# KiCad board squishy.kicad_pcb
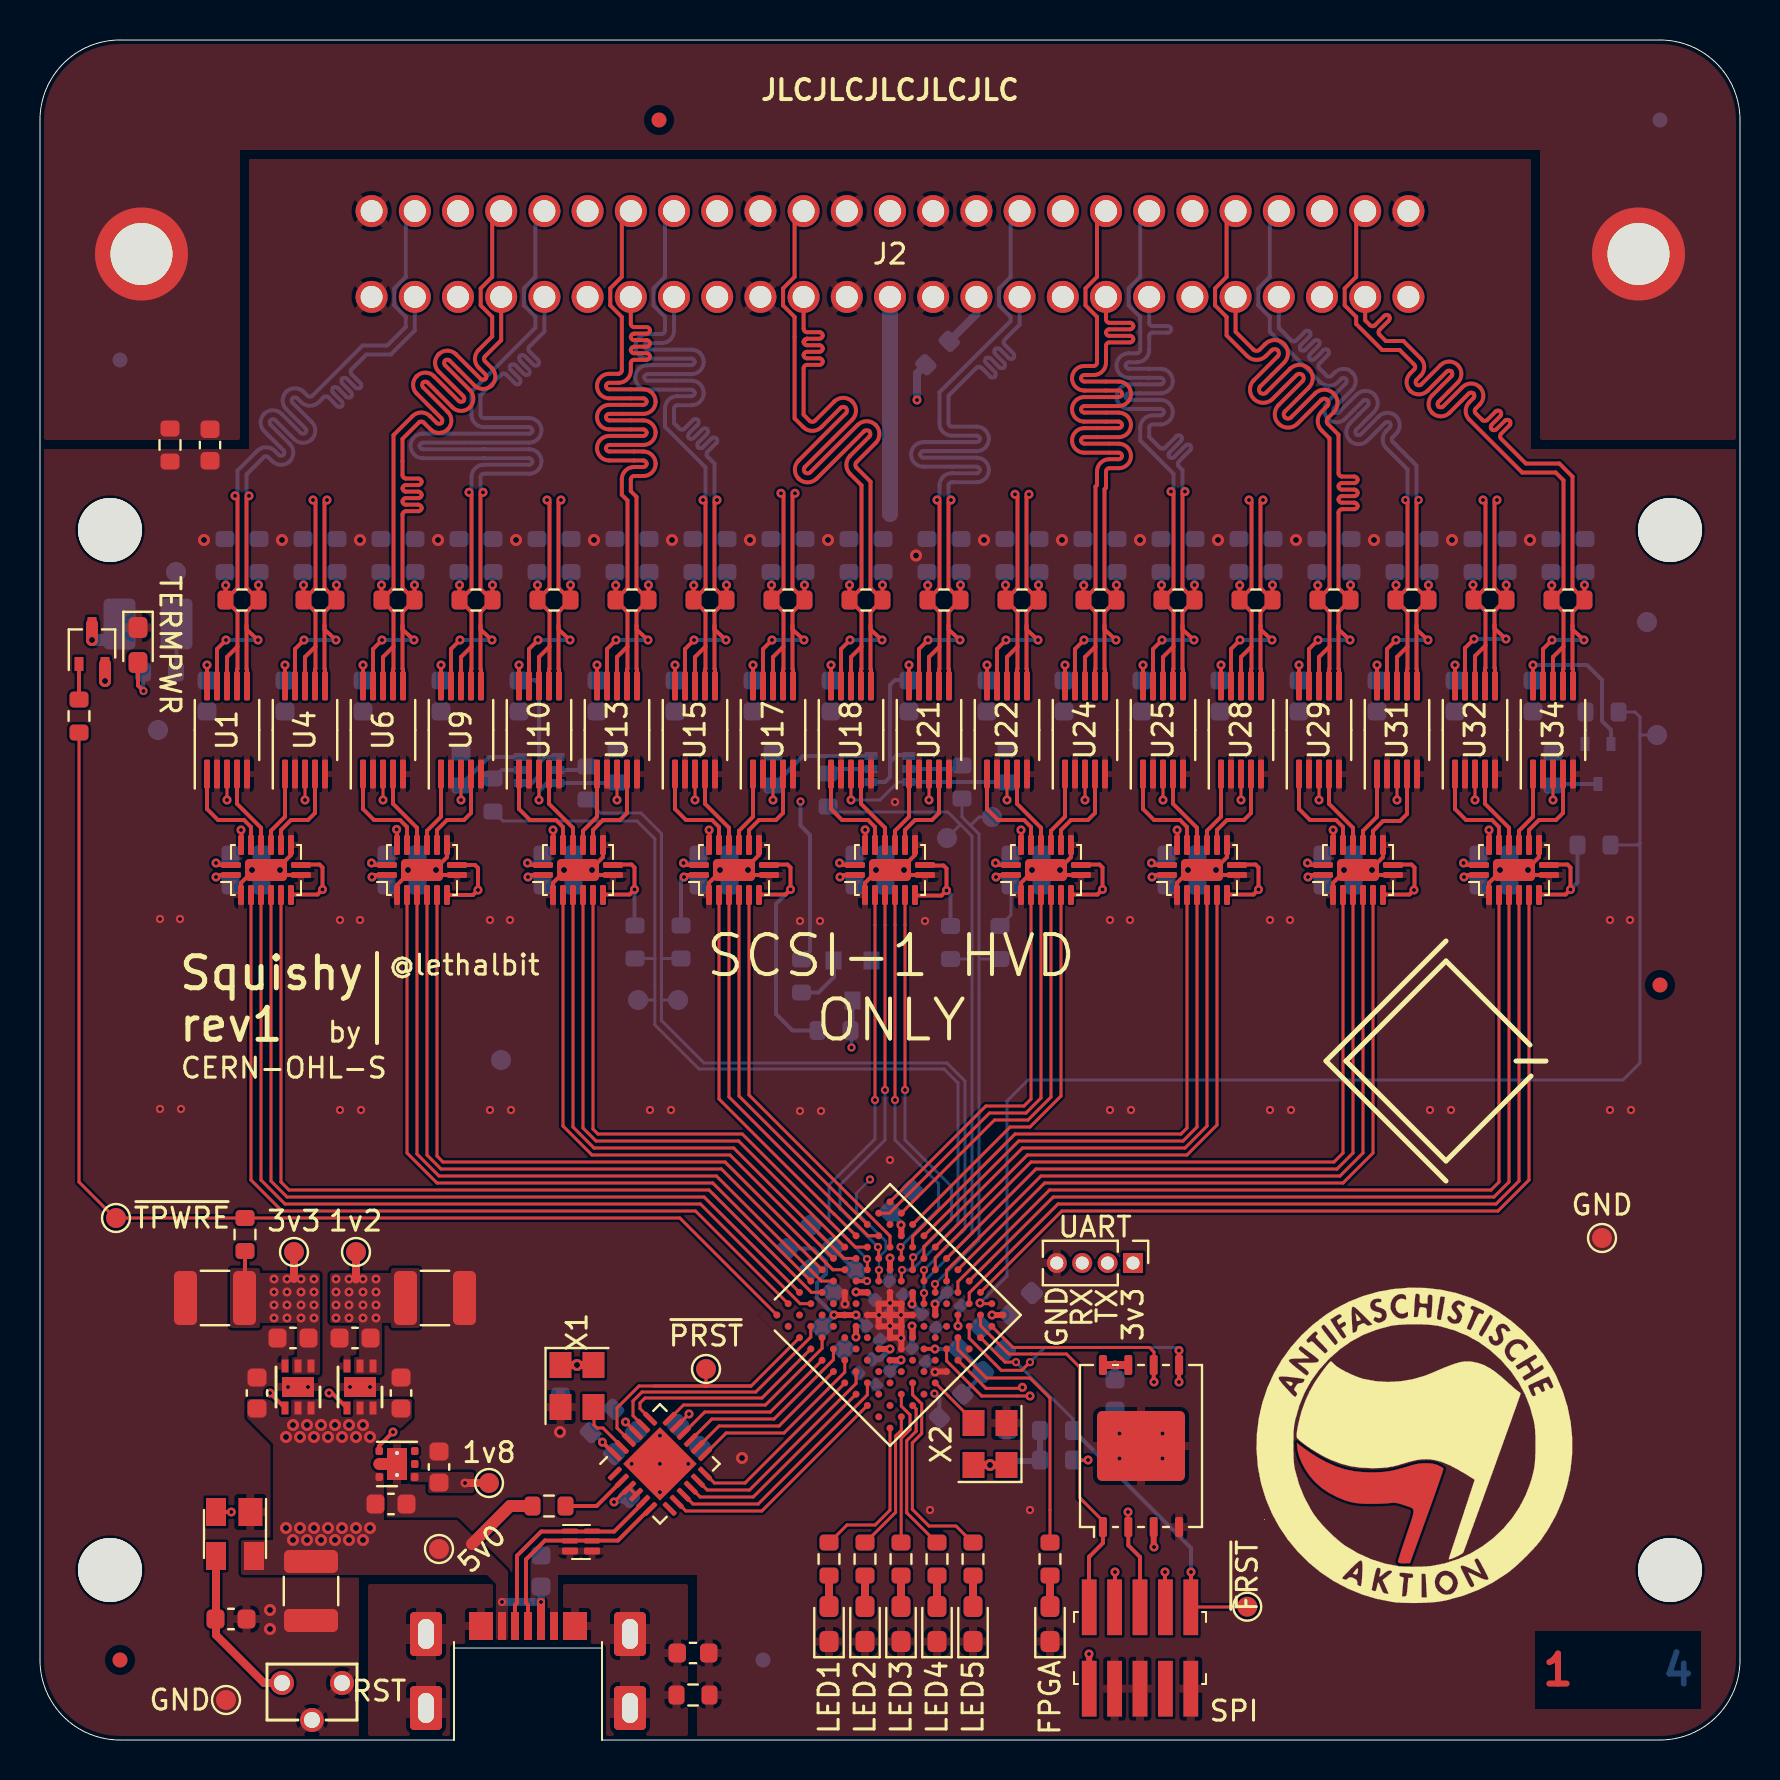
[diagram p0: board, top side]
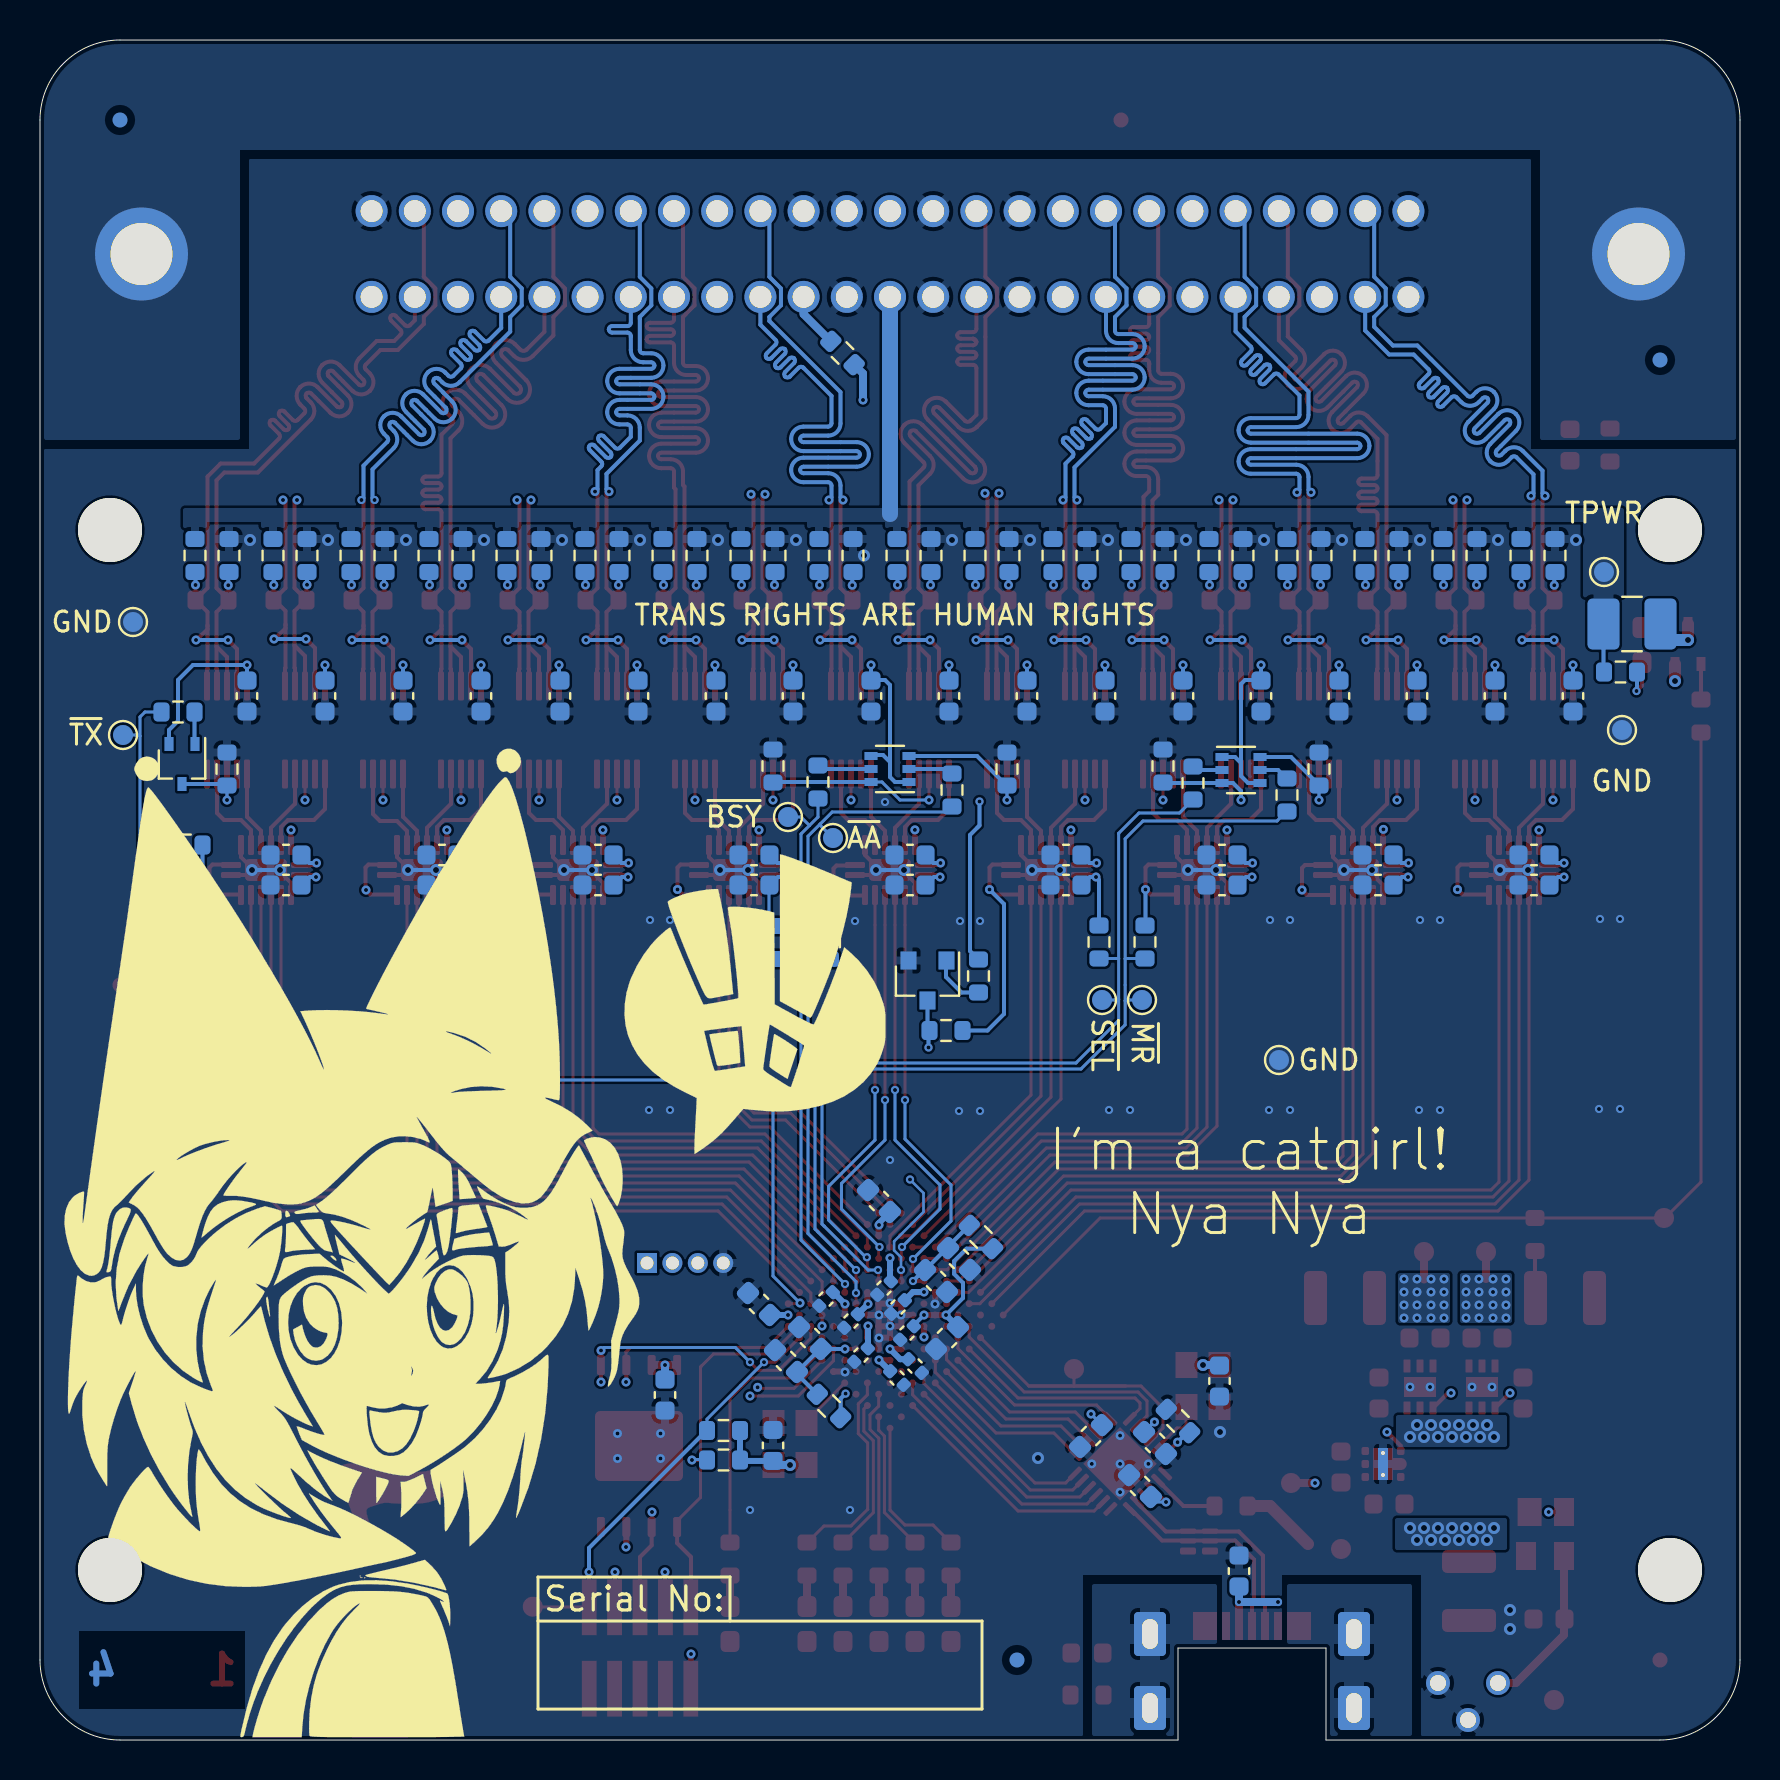
[diagram p1: board, bottom side, seen from below]

Outline 85 x 85 mm; copper layers: Top, In1.Cu (plane), In2.Cu (plane), Bottom. Coordinates in mm from the lower left corner of the outline.
Outline path: 20.7,0 4,0 arc(1.17,1.17) 0,4 0,81 arc(1.17,83.83) 4,85 81,85 arc(83.83,83.83) 85,81 85,4 arc(83.83,1.17) 81,0 28.1,0
Stack: Top 0.035mm / dielectric 0.2mm FR4 er 4.6 / In1.Cu 0.0175mm / dielectric 1.065mm FR4 er 4.5 / In2.Cu 0.0175mm / dielectric 0.2mm FR4 er 4.6 / Bottom 0.035mm

## Placement (name value [footprint] x y rotation side)
C1  0.1uF  [C_0603_1608Metric]  8.5 64.75 270 top
C2  47uF  [C_1210_3225Metric]  8.75 22.1 0 top
C3  4.7uF  [C_0603_1608Metric]  10.85 17.35 270 top
C4  4.7uF  [C_0603_1608Metric]  12.65 20.1 0 top
C5  100uF  [C_1210_3225Metric]  13.55 7.45 270 top
C6  4.7uF  [C_0603_1608Metric]  15.75 20.1 0 top
C7  1uF  [C_0603_1608Metric]  17.55 11.8 180 top
C8  4.7uF  [C_0603_1608Metric]  18.05 17.35 270 top
C9  47uF  [C_1210_3225Metric]  19.75 22.1 180 top
C10  1uF  [C_0603_1608Metric]  19.95 13.65 270 top
C11  0.1uF  [C_0603_1608Metric]  32.65 4.35 180 top
C12  0.1uF  [C_0603_1608Metric]  74.65 52.2 90 bottom
C13  0.1uF  [C_0603_1608Metric]  72.7 42.75 180 bottom
C14  0.1uF  [C_0603_1608Metric]  72.7 44.25 0 bottom
C15  0.1uF  [C_0603_1608Metric]  70.75 52.2 270 bottom
C16  0.1uF  [C_0603_1608Metric]  66.85 52.2 270 bottom
C17  0.1uF  [C_0603_1608Metric]  64.9 42.75 180 bottom
C18  0.1uF  [C_0603_1608Metric]  64.9 44.25 0 bottom
C19  0.1uF  [C_0603_1608Metric]  62.95 52.2 90 bottom
C20  0.1uF  [C_0603_1608Metric]  53.75 17.25 270 bottom
C21  0.1uF  [C_0603_1608Metric]  59 52.2 270 bottom
C22  0.1uF  [C_0603_1608Metric]  57.1 42.75 180 bottom
C23  0.1uF  [C_0603_1608Metric]  57.1 44.25 180 bottom
C24  0.1uF  [C_0603_1608Metric]  55.1 52.2 270 bottom
C25  0.1uF  [C_0603_1608Metric]  51.2 52.2 270 bottom
C26  0.1uF  [C_0603_1608Metric]  49.3 42.75 180 bottom
C27  0.1uF  [C_0603_1608Metric]  49.3 44.25 0 bottom
C28  4.7uF  [C_0603_1608Metric]  49.05 21.8 225 bottom
C29  0.01uF  [C_0603_1608Metric]  48.35 14.73 90 bottom
C30  10uF  [C_0603_1608Metric]  47.7 18.95 45 bottom
C31  0.1uF  [C_0603_1608Metric]  47.35 52.2 270 bottom
C32  0.1uF  [C_0603_1608Metric]  46.5 20.1 45 bottom
C33  0.1uF  [C_0402_1005Metric]  45.7 22.05 135 bottom
C34  0.1uF  [C_0402_1005Metric]  44.45 20.95 135 bottom
C35  0.1uF  [C_0402_1005Metric]  43.95 19.25 135 bottom
C36  0.1uF  [C_0603_1608Metric]  43.45 52.2 270 bottom
C37  0.1uF  [C_0603_1608Metric]  43.05 26.95 45 bottom
C38  0.1uF  [C_0402_1005Metric]  42.8 22.6 135 bottom
C39  0.1uF  [C_0402_1005Metric]  42.15 18.1 45 bottom
C40  0.1uF  [C_0402_1005Metric]  42.1 21.65 135 bottom
C41  0.1uF  [C_0402_1005Metric]  41.65 20.35 135 bottom
C42  0.1uF  [C_0603_1608Metric]  41.5 42.75 180 bottom
C43  0.1uF  [C_0603_1608Metric]  41.5 44.25 180 bottom
C44  0.1uF  [C_0402_1005Metric]  41.25 18.7 45 bottom
C45  0.1uF  [C_0603_1608Metric]  40.2 22.95 225 bottom
C46  4.7uF  [C_0603_1608Metric]  39.65 20.1 135 bottom
C47  0.1uF  [C_0603_1608Metric]  39.55 52.2 90 bottom
C48  10uF  [C_0603_1608Metric]  39.05 24.05 225 bottom
C49  0.1uF  [C_0603_1608Metric]  35.65 52.2 90 bottom
C50  0.1uF  [C_0603_1608Metric]  33.7 42.75 180 bottom
C51  0.1uF  [C_0603_1608Metric]  33.7 44.25 180 bottom
C52  4.7uF  [C_0603_1608Metric]  32.45 15.2 135 bottom
C53  0.1uF  [C_0603_1608Metric]  31.75 52.2 270 bottom
C54  0.1uF  [C_0603_1608Metric]  30 12.7 45 bottom
C55  0.1uF  [C_0603_1608Metric]  29.25 14.85 225 bottom
C56  0.1uF  [C_0603_1608Metric]  27.85 52.2 270 bottom
C57  0.01uF  [C_0603_1608Metric]  26.03 17.95 270 bottom
C58  0.1uF  [C_0603_1608Metric]  25.9 42.75 180 bottom
C59  0.1uF  [C_0603_1608Metric]  25.9 44.25 180 bottom
C60  1uF  [C_0603_1608Metric]  25.05 8.45 270 bottom
C61  0.1uF  [C_0603_1608Metric]  23.95 52.2 270 bottom
C62  0.1uF  [C_0603_1608Metric]  20.05 52.2 270 bottom
C63  0.1uF  [C_0603_1608Metric]  18.1 42.75 180 bottom
C64  0.1uF  [C_0603_1608Metric]  18.1 44.25 180 bottom
C65  0.1uF  [C_0603_1608Metric]  16.15 52.2 270 bottom
C66  0.1uF  [C_0603_1608Metric]  12.25 52.2 270 bottom
C67  0.1uF  [C_0603_1608Metric]  10.3 42.75 180 bottom
C68  0.1uF  [C_0603_1608Metric]  10.3 44.25 0 bottom
C69  0.1uF  [C_0603_1608Metric]  8.35 52.2 270 bottom
C70  1uF  [C_0603_1608Metric]  9.55 6.05 0 top
D1  BLUE  [LED_0603_1608Metric_Pad1.05x0.95mm_HandSolder]  39.45 5.8 90 top
D2  PINK  [LED_0603_1608Metric_Pad1.05x0.95mm_HandSolder]  41.25 5.8 90 top
D3  WHITE  [LED_0603_1608Metric_Pad1.05x0.95mm_HandSolder]  43.05 5.8 90 top
D4  PINK  [LED_0603_1608Metric_Pad1.05x0.95mm_HandSolder]  44.85 5.8 90 top
D5  BLUE  [LED_0603_1608Metric_Pad1.05x0.95mm_HandSolder]  46.65 5.8 90 top
D6  BLUE  [LED_0603_1608Metric_Pad1.05x0.95mm_HandSolder]  50.5 5.8 90 top
D7  WHITE  [LED_0603_1608Metric_Pad1.05x0.95mm_HandSolder]  4.9 54.75 270 top
F1  250mA  [Fuse_1210_3225Metric_Castellated]  5.4 55.8 180 bottom
FID1  Fiducial  [Fiducial_0.75mm_Mask1.5mm]  4 4 0 top
FID2  Fiducial  [Fiducial_0.75mm_Mask1.5mm]  30.95 81 0 top
FID3  Fiducial  [Fiducial_0.75mm_Mask1.5mm]  81 37.75 0 top
FID4  Fiducial  [Fiducial_0.75mm_Mask1.5mm]  81 81 0 bottom
FID5  Fiducial  [Fiducial_0.75mm_Mask1.5mm]  36.15 4 0 bottom
FID6  Fiducial  [Fiducial_0.75mm_Mask1.5mm]  4 69 0 bottom
G1  Graphic  [ran-filled]  66.2 25.32 0 top
G2  Antifaschistische_Aktion  [Antifaschistische Aktion_600dpi]  68.7 14.75 0 top
H1  MountingHole  [MountingHole_3.2mm_M3]  3.5 8.5 0 top
H2  MountingHole  [MountingHole_3.2mm_M3]  81.5 60.5 0 top
H3  MountingHole  [MountingHole_3.2mm_M3]  81.5 8.5 0 top
H4  MountingHole  [MountingHole_3.2mm_M3]  3.5 60.5 0 top
J1  USB_B_Micro  [MICRO-USB-B-(IN_PCB)]  24.4 0 0 top
J2  Conn_02x26_Top_Bottom  [SCSI-50-PIN]  42.5 74.3 180 top
J3  Conn_01x04  [PinHeader_1x04_P1.27mm_Vertical]  54.65 23.85 270 top
J4  Conn_02x05_Odd_Even  [FTSH-105-01-L-DV-K-TR]  55 4.6 0 top
Q1  Q_PMOS_DGS  [SOT-323_SC-70]  2.6 54.8 90 top
Q2  Q_PMOS_DGS  [SOT-323_SC-70]  77.9 48.8 270 bottom
Q3  Q_DUAL_PMOS_S1G1D2S2G2D1  [SOT-363_SC-70-6]  42.5 48.55 0 bottom
Q4  Q_DUAL_PMOS_S1G1D2S2G2D1  [SOT-363_SC-70-6]  24.95 48.5 180 bottom
Q5  Q_NMOS_GSD  [SOT-23]  40.62 37.97 270 bottom
R1  10k  [R_0603_1608Metric]  1.95 51.2 270 top
R2  1M  [R_0603_1608Metric]  6.5 64.75 270 top
R3  150  [R_0603_1608Metric]  10.1 57 0 top
R4  150  [R_0603_1608Metric]  14 57 0 top
R5  150  [R_0603_1608Metric]  17.9 57 0 top
R6  150  [R_0603_1608Metric]  21.8 57 0 top
R7  10k  [R_0603_1608Metric]  25.45 11.7 180 top
R8  150  [R_0603_1608Metric]  25.7 57 0 top
R9  150  [R_0603_1608Metric]  29.6 57 0 top
R10  1M  [R_0603_1608Metric]  32.65 2.25 180 top
R11  150  [R_0603_1608Metric]  33.5 57 0 top
R12  150  [R_0603_1608Metric]  37.4 57 0 top
R13  4k7  [R_0603_1608Metric]  39.45 9.05 270 top
R14  10k  [R_0603_1608Metric]  41.25 9.05 270 top
R15  150  [R_0603_1608Metric]  41.3 57 0 top
R16  6k8  [R_0603_1608Metric]  43.05 9.05 270 top
R17  10k  [R_0603_1608Metric]  44.85 9.05 270 top
R18  150  [R_0603_1608Metric]  45.2 57 0 top
R19  4k7  [R_0603_1608Metric]  46.65 9.05 270 top
R20  4k7  [R_0603_1608Metric]  50.5 9.05 270 top
R21  150  [R_0603_1608Metric]  49.1 57 0 top
R22  150  [R_0603_1608Metric]  53 57 0 top
R23  150  [R_0603_1608Metric]  56.9 57 0 top
R24  150  [R_0603_1608Metric]  60.8 57 0 top
R25  150  [R_0603_1608Metric]  64.7 57 0 top
R26  150  [R_0603_1608Metric]  68.6 57 0 top
R27  150  [R_0603_1608Metric]  72.5 57 0 top
R28  150  [R_0603_1608Metric]  76.4 57 0 top
R29  10k  [R_0603_1608Metric]  78.1 51.4 0 bottom
R30  10k  [R_0603_1608Metric]  77.7 44.75 0 bottom
R31  330  [R_0603_1608Metric]  77.25 59.22 90 bottom
R32  10k  [R_0603_1608Metric]  75.65 48.55 90 bottom
R33  330  [R_0603_1608Metric]  75.55 59.22 270 bottom
R34  330  [R_0603_1608Metric]  73.35 59.22 90 bottom
R35  10k  [R_0603_1608Metric]  48.35 48.7 90 bottom
R36  330  [R_0603_1608Metric]  71.65 59.22 270 bottom
R37  10k  [R_0603_1608Metric]  48 39.88 270 bottom
R38  10k  [R_0603_1608Metric]  46.1 47.9 270 bottom
R39  330  [R_0603_1608Metric]  69.45 59.22 90 bottom
R40  10k  [R_0603_1608Metric]  45.53 39.88 270 bottom
R41  330  [R_0603_1608Metric]  67.75 59.22 270 bottom
R42  330  [R_0603_1608Metric]  65.55 59.22 90 bottom
R43  330  [R_0603_1608Metric]  63.85 59.22 270 bottom
R44  10k  [R_0603_1608Metric]  39.4 47.5 270 bottom
R45  330  [R_0603_1608Metric]  61.65 59.22 90 bottom
R46  10k  [R_0603_1608Metric]  36.65 48.55 90 bottom
R47  330  [R_0603_1608Metric]  59.95 59.22 270 bottom
R48  330  [R_0603_1608Metric]  57.75 59.22 90 bottom
R49  330  [R_0603_1608Metric]  56.05 59.22 270 bottom
R50  330  [R_0603_1608Metric]  53.85 59.22 90 bottom
R51  330  [R_0603_1608Metric]  52.15 59.22 270 bottom
R52  10k  [R_0603_1608Metric]  50.82 14 180 bottom
R53  10k  [R_0603_1608Metric]  50.82 15.47 180 bottom
R54  330  [R_0603_1608Metric]  49.95 59.22 90 bottom
R55  330  [R_0603_1608Metric]  48.25 59.22 270 bottom
R56  330  [R_0603_1608Metric]  46.05 59.22 90 bottom
R57  100  [R_0603_1608Metric]  45.55 16.7 45 bottom
R58  330  [R_0603_1608Metric]  44.35 59.22 270 bottom
R59  330  [R_0603_1608Metric]  42.15 59.22 90 bottom
R60  330  [R_0603_1608Metric]  40.45 59.22 270 bottom
R61  330  [R_0603_1608Metric]  38.25 59.22 90 bottom
R62  100  [R_0603_1608Metric]  37.95 25.15 45 bottom
R63  330  [R_0603_1608Metric]  36.55 59.22 270 bottom
R64  330  [R_0603_1608Metric]  34.35 59.22 90 bottom
R65  10k  [R_0603_1608Metric]  28.85 48.7 90 bottom
R66  330  [R_0603_1608Metric]  32.65 59.22 270 bottom
R67  10k  [R_0603_1608Metric]  32.05 39.9 270 bottom
R68  10k  [R_0603_1608Metric]  27.35 47.85 270 bottom
R69  330  [R_0603_1608Metric]  30.45 59.22 90 bottom
R70  10k  [R_0603_1608Metric]  29.75 39.9 270 bottom
R71  330  [R_0603_1608Metric]  28.75 59.22 270 bottom
R72  8k06  [R_0603_1608Metric]  28.1 15.95 225 bottom
R73  10k  [R_0603_1608Metric]  22.65 47.25 270 bottom
R74  330  [R_0603_1608Metric]  26.55 59.22 90 bottom
R75  10k  [R_0603_1608Metric]  21.05 48.55 90 bottom
R76  330  [R_0603_1608Metric]  24.85 59.22 270 bottom
R77  10k  [R_0603_1608Metric]  44.88 69.35 225 bottom
R78  330  [R_0603_1608Metric]  22.65 59.22 90 bottom
R79  330  [R_0603_1608Metric]  20.95 59.22 270 bottom
R80  330  [R_0603_1608Metric]  18.75 59.22 90 bottom
R81  330  [R_0603_1608Metric]  17.05 59.22 270 bottom
R82  330  [R_0603_1608Metric]  14.85 59.22 90 bottom
R83  330  [R_0603_1608Metric]  13.15 59.22 270 bottom
R84  330  [R_0603_1608Metric]  10.95 59.22 90 bottom
R85  330  [R_0603_1608Metric]  9.25 59.22 270 bottom
R86  10k  [R_0603_1608Metric]  38.07 38.2 270 bottom
R87  10k  [R_0603_1608Metric]  39.7 35.47 0 bottom
R88  10k  [R_0603_1608Metric]  10.25 25.27 90 top
R89  30k  [R_0603_1608Metric]  5.97 53.4 180 bottom
SW1  RST  [SW_Tactile_SPST_Angled_TC-1109DE]  13.6 2.85 180 top
TP1  3v3  [TestPoint_Pad_D1.0mm]  12.7 24.4 0 top
TP2  GND  [TestPoint_Pad_D1.0mm]  9.3 2 0 top
TP3  1v2  [TestPoint_Pad_D1.0mm]  15.8 24.4 0 top
TP4  5v0  [TestPoint_Pad_D1.0mm]  19.95 9.55 45 top
TP5  1v8  [TestPoint_Pad_D1.0mm]  22.45 12.85 0 top
TP6  ~{PRST}  [TestPoint_Pad_D1.0mm]  33.3 18.55 0 top
TP7  ~{FRST}  [TestPoint_Pad_D1.0mm]  60.36 6.66 270 top
TP8  ~{TX}  [TestPoint_Pad_D1.0mm]  80.85 50.25 180 bottom
TP9  ~{BSY}  [TestPoint_Pad_D1.0mm]  47.6 46.15 0 bottom
TP10  ~{AA}  [TestPoint_Pad_D1.0mm]  45.35 45.1 0 bottom
TP11  ~{SEL}  [TestPoint_Pad_D1.0mm]  31.9 37 90 bottom
TP12  ~{MR}  [TestPoint_Pad_D1.0mm]  29.9 37 270 bottom
TP13  TPWR  [TestPoint_Pad_D1.0mm]  6.8 58.4 180 bottom
TP14  ~{TPWRE}  [TestPoint_Pad_D1.0mm]  3.8 26.1 0 top
TP15  GND  [TestPoint_Pad_D1.0mm]  23.05 34 180 bottom
TP16  GND  [TestPoint_Pad_D1.0mm]  80.35 55.9 180 bottom
TP17  GND  [TestPoint_Pad_D1.0mm]  78.1 25.1 0 top
TP18  GND  [TestPoint_Pad_D1.0mm]  5.9 50.5 180 bottom
U1  THVD1452DGSR  [VSSOP-10_3x3mm_P0.5mm]  9.35 50.5 90 top
U2  FXL4TD245BQX  [DQFN16_1EP_2.5x3.5mm_P0.5mm]  11.3 43.5 0 top
U3  TLV755533PDRVR  [DFN-6-1EP_2x2mm_P0.65mm_EP1x1.6mm]  12.9 17.65 270 top
U4  THVD1452DGSR  [VSSOP-10_3x3mm_P0.5mm]  13.25 50.5 90 top
U5  TLV73312PQDRVRQ1  [DFN-6-1EP_2x2mm_P0.65mm_EP1x1.6mm]  16 17.65 270 top
U6  THVD1452DGSR  [VSSOP-10_3x3mm_P0.5mm]  17.15 50.5 90 top
U7  LP5910-1.8DRVR  [WSON-6-1EP_2x2mm_P0.65mm_EP1x1.6mm_ThermalVias]  17.85 13.8 180 top
U8  FXL4TD245BQX  [DQFN16_1EP_2.5x3.5mm_P0.5mm]  19.1 43.5 0 top
U9  THVD1452DGSR  [VSSOP-10_3x3mm_P0.5mm]  21.05 50.5 90 top
U10  THVD1452DGSR  [VSSOP-10_3x3mm_P0.5mm]  24.95 50.5 90 top
U11  FXL4TD245BQX  [DQFN16_1EP_2.5x3.5mm_P0.5mm]  26.9 43.5 0 top
U12  SP3400-02UTG  [UDFN-6L]  27.05 9.9 0 top
U13  THVD1452DGSR  [VSSOP-10_3x3mm_P0.5mm]  28.85 50.5 90 top
U14  USB3318  [QFN-24-1EP_4x4mm_P0.5mm_EP2.6x2.6mm]  31 13.81 45 top
U15  THVD1452DGSR  [VSSOP-10_3x3mm_P0.5mm]  32.75 50.5 90 top
U16  FXL4TD245BQX  [DQFN16_1EP_2.5x3.5mm_P0.5mm]  34.7 43.5 0 top
U17  THVD1452DGSR  [VSSOP-10_3x3mm_P0.5mm]  36.65 50.5 90 top
U18  THVD1452DGSR  [VSSOP-10_3x3mm_P0.5mm]  40.55 50.5 90 top
U19  ICE40HX8K-BG121  [BGA-121_9.0x9.0mm_Layout11x11_P0.8mm_Ball0.4mm_Pad0.35mm_NSMD]  42.5 21.25 45 top
U20  FXL4TD245BQX  [DQFN16_1EP_2.5x3.5mm_P0.5mm]  42.5 43.5 0 top
U21  THVD1452DGSR  [VSSOP-10_3x3mm_P0.5mm]  44.45 50.5 90 top
U22  THVD1452DGSR  [VSSOP-10_3x3mm_P0.5mm]  48.35 50.5 90 top
U23  FXL4TD245BQX  [DQFN16_1EP_2.5x3.5mm_P0.5mm]  50.3 43.5 0 top
U24  THVD1452DGSR  [VSSOP-10_3x3mm_P0.5mm]  52.25 50.5 90 top
U25  THVD1452DGSR  [VSSOP-10_3x3mm_P0.5mm]  56.15 50.5 90 top
U26  W25N01GVZEIG  [WSON-8-1EP-6.0x8.0mm]  55.05 14.7 90 top
U27  FXL4TD245BQX  [DQFN16_1EP_2.5x3.5mm_P0.5mm]  58.1 43.5 0 top
U28  THVD1452DGSR  [VSSOP-10_3x3mm_P0.5mm]  60.05 50.5 90 top
U29  THVD1452DGSR  [VSSOP-10_3x3mm_P0.5mm]  63.95 50.5 90 top
U30  FXL4TD245BQX  [DQFN16_1EP_2.5x3.5mm_P0.5mm]  65.9 43.5 0 top
U31  THVD1452DGSR  [VSSOP-10_3x3mm_P0.5mm]  67.85 50.5 90 top
U32  THVD1452DGSR  [VSSOP-10_3x3mm_P0.5mm]  71.75 50.5 90 top
U33  FXL4TD245BQX  [DQFN16_1EP_2.5x3.5mm_P0.5mm]  73.7 43.5 0 top
U34  THVD1452DGSR  [VSSOP-10_3x3mm_P0.5mm]  75.65 50.5 90 top
U35  APX811-40UG-7  [SOT-143]  9.75 10.3 270 top
X1  16MHz  [Oscillator_SMD_Abracon_ASE-4Pin_3.2x2.5mm]  26.85 17.7 270 top
X2  48MHz  [Oscillator_SMD_Abracon_ASE-4Pin_3.2x2.5mm]  47.5 14.8 90 top

## Library data of the parts
C1 C11 C32 C45 = -: MFR: KEMET; MPN: C0603C104M5RACTU
C2 C9 = -: MFR: Taiyo Yuden; MPN: EMK325ABJ476KMHP
C3 C4 C6 C8 C28 C46 C52 = -: MFR: KEMET; MPN: C0603C475K8PACTU
C5 = -: MFR: KEMET; MPN: C1210C107M4PAC7800
C7 C10 C60 C70 = -: MFR: Taiyo Yuden; MPN: UMK107BJ105KA-T
C12-C27 C31 C33-C44 C47 C49-C51 C53-C56 C58 C59 C61-C69 = -: MFR: KEMET; MPN: C0402C104M8PACTU
C29 C57 = -: MFR: KEMET; MPN: C0402C103K3RACTU
C30 C48 = -: MFR: Murata Electronics; MPN: GRJ21BR61E106KE01K
D1 D5 D6 = -: MFR: Wurth Electronics; MPN: 150060BS75000
D2 D4 = -: MFR: Optosupply; MPN: OSK40603C1E
D3 D7 = -: MFR: ROHM Semiconductor; MPN: SMLEN3WBC8W1
F1 = -: MFR: Bel Fuse; MPN: 0ZCH0050FF2G
FID1-FID6 G1 G2 H1-H4 TP1-TP18 = -: MFR: N/A; MPN: N/A
J1 = -: MFR: Amphenol ICC; MPN: 10103593-0001lf
J2 = -: MFR: NorComp; MPN: 112-050-113R001
J4 = -: MFR: Samtec; MPN: FTSH-105-01-L-DV-K-TR
Q1 Q2 = -: MFR: Vishay Siliconix; MPN: SI1317DL-T1-GE3
Q5 = -: MFR: Diodes Inc; MPN: DMN65D8L-7
R1 R7 R14 R17 R29 R30 R32 R35 R37 R38 R40 R44 R46 R52 R53 R65 R67 R68 R70 R73 R75 R77 R86-R88 = -: MFR: Vishay Dale; MPN: CRCW060310K0FKEA
R2 R10 = -: MFR: Vishay Dale; MPN: CRCW06031M00FKEA
R3-R6 R8 R9 R11 R12 R15 R18 R21-R28 = -: MFR: TE Connectivity Passive Product; MPN: CRGCQ0402F150R
R13 R19 R20 = -: MFR: Vishay Dale; MPN: CRCW06034K70FKEA
R16 = -: MFR: Vishay Dale; MPN: CRCW06036K80FKEA
R31 R33 R34 R36 R39 R41-R43 R45 R47-R51 R54-R56 R58-R61 R63 R64 R66 R69 R71 R74 R76 R78-R85 = -: MFR: TE Connectivity Passive Product; MPN: CRGCQ0402F330R
R57 R62 = -: MFR: TE Connectivity Passive Product; MPN: CRG0603F100R
R72 = -: MFR: Vishay Dale; MPN: CRCW06038K06FKEAC
R89 = -: MFR: YAGEO; MPN: RC0603FR-0730KL
SW1 = -: MFR: XKB Connectivity; MPN: TC-1109DE-C-D
U1 U4-U7 U9 U10 U13 U15 U17 U18 U21 U22 U24 U25 U28 U29 U31 U32 U34 = -: MFR: Texas Instruments
U2 U8 U11 U16 U20 U23 U27 U30 U33 = -: MFR: ON Semi; MPN: FXL4TD245BQX‎
U3 = -: MFR: Texas Instruments; MPN: TLV75533PDRVR
U12 = -: MFR: Littlefuse
U14 = -: MFR: Microchip Technology; MPN: USB3318-CP-TR
U19 = -: MFR: Lattice Semiconductors
U26 = -: MFR: Winbond; MPN: W25N01GVZEIG TR
U35 = -: MFR: Diodes Incorporated
X1 = -: MFR: Abracon; MPN: ASEMB-16.000MHZ-LY-T
X2 = -: MFR: Abracon; MPN: ASEMB-48.000MHZ-LY-T
